# Altium PCB LaunchPadComputer.PcbDoc
Units mil, origin at the board's own origin, x right, y up, seen from the top; angles counter-clockwise.
Board outline 4000 x 4000 mil, 2 copper layers (Top Layer, Bottom Layer); 46 components, 43 nets, 160 pads, 4 vias.
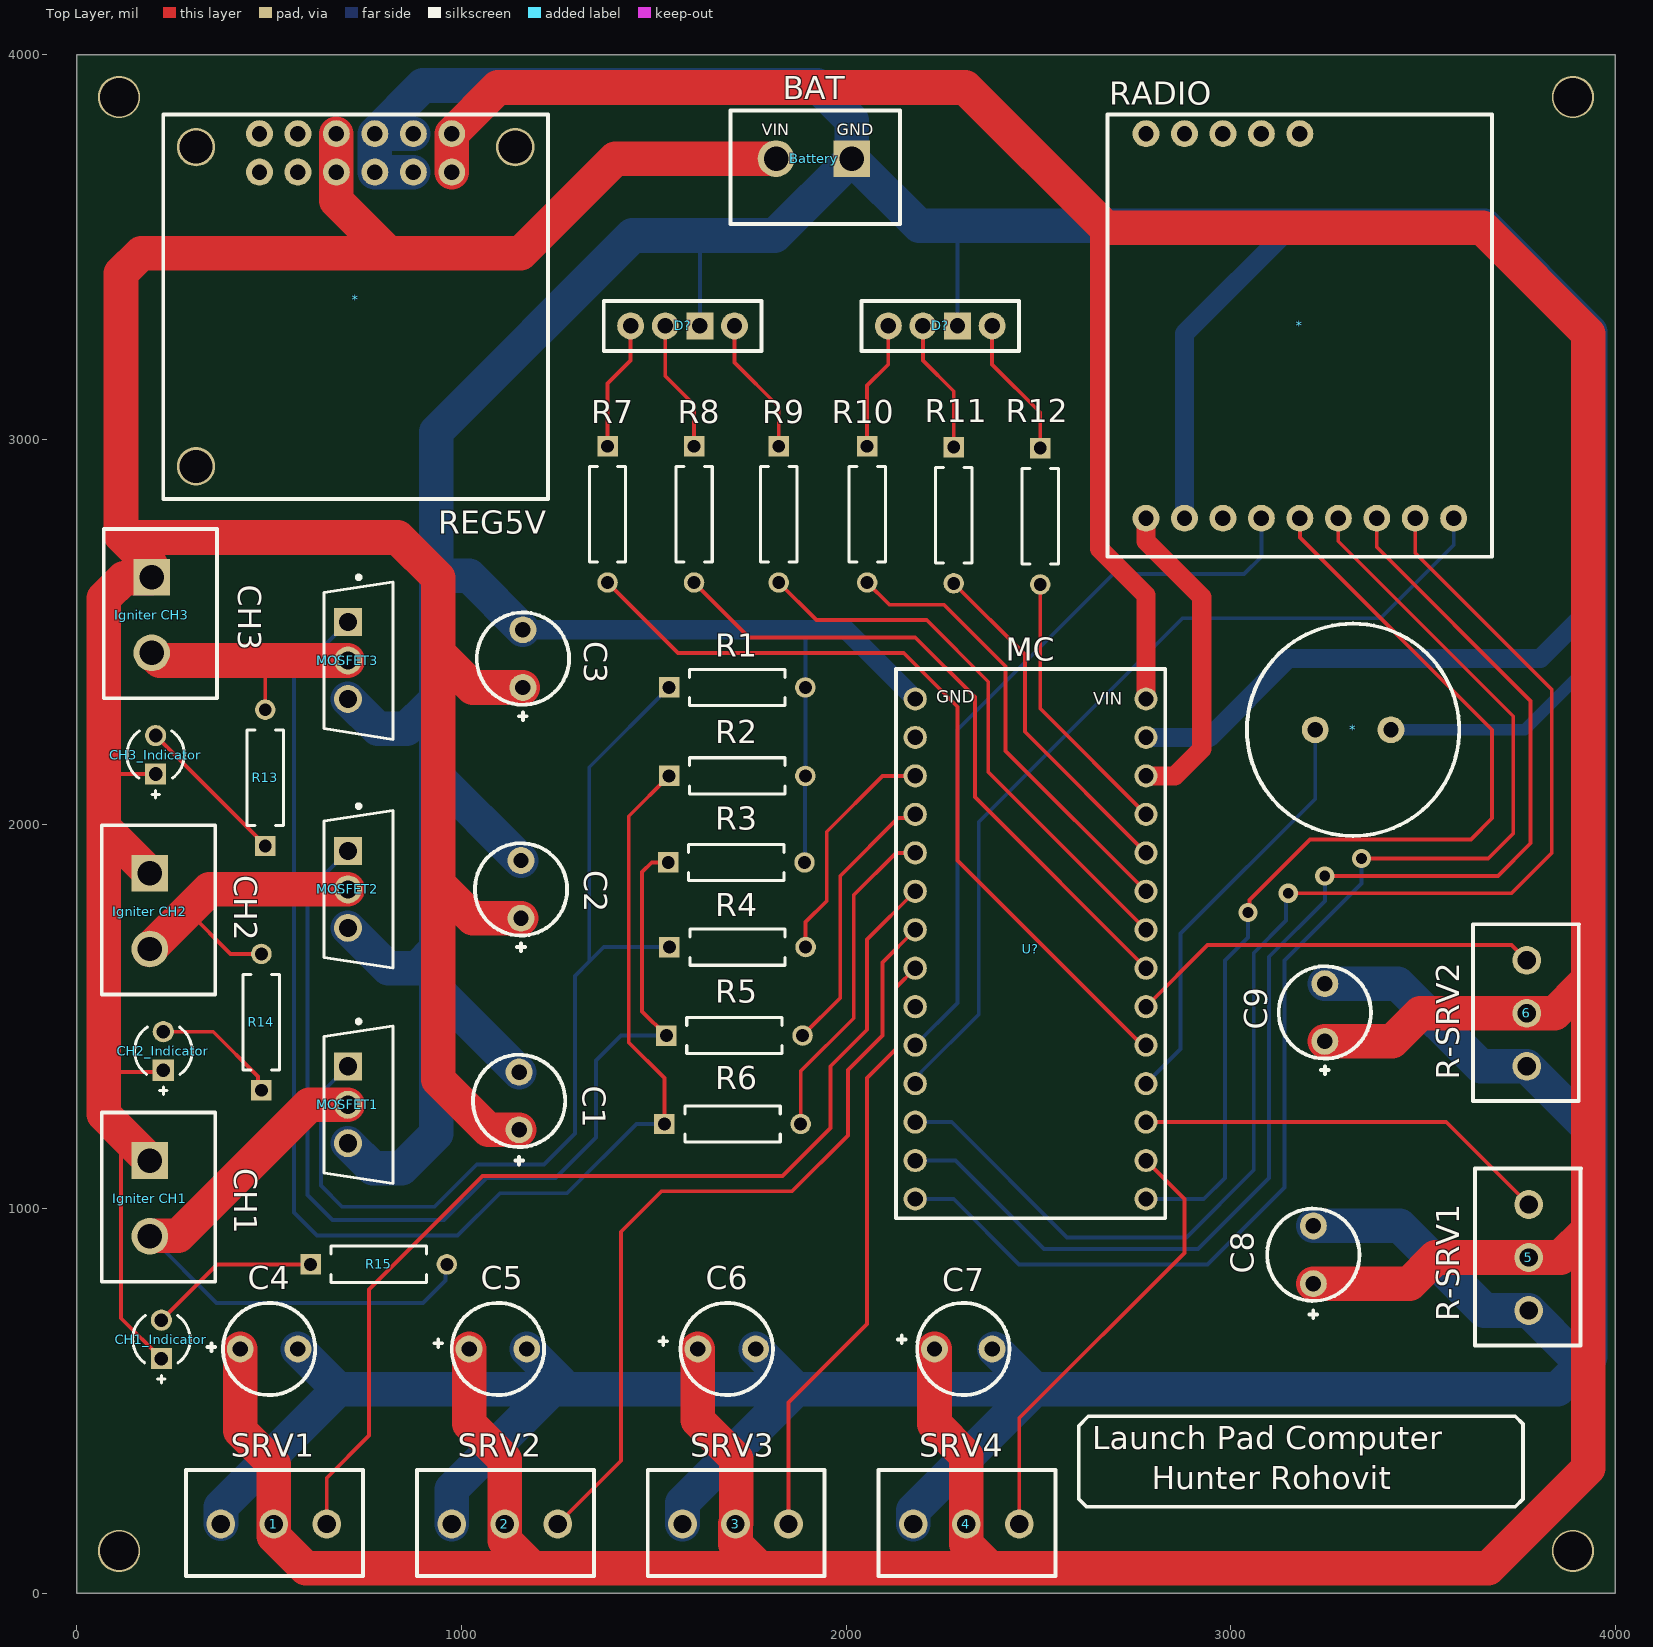
[diagram p0: Top Layer view]
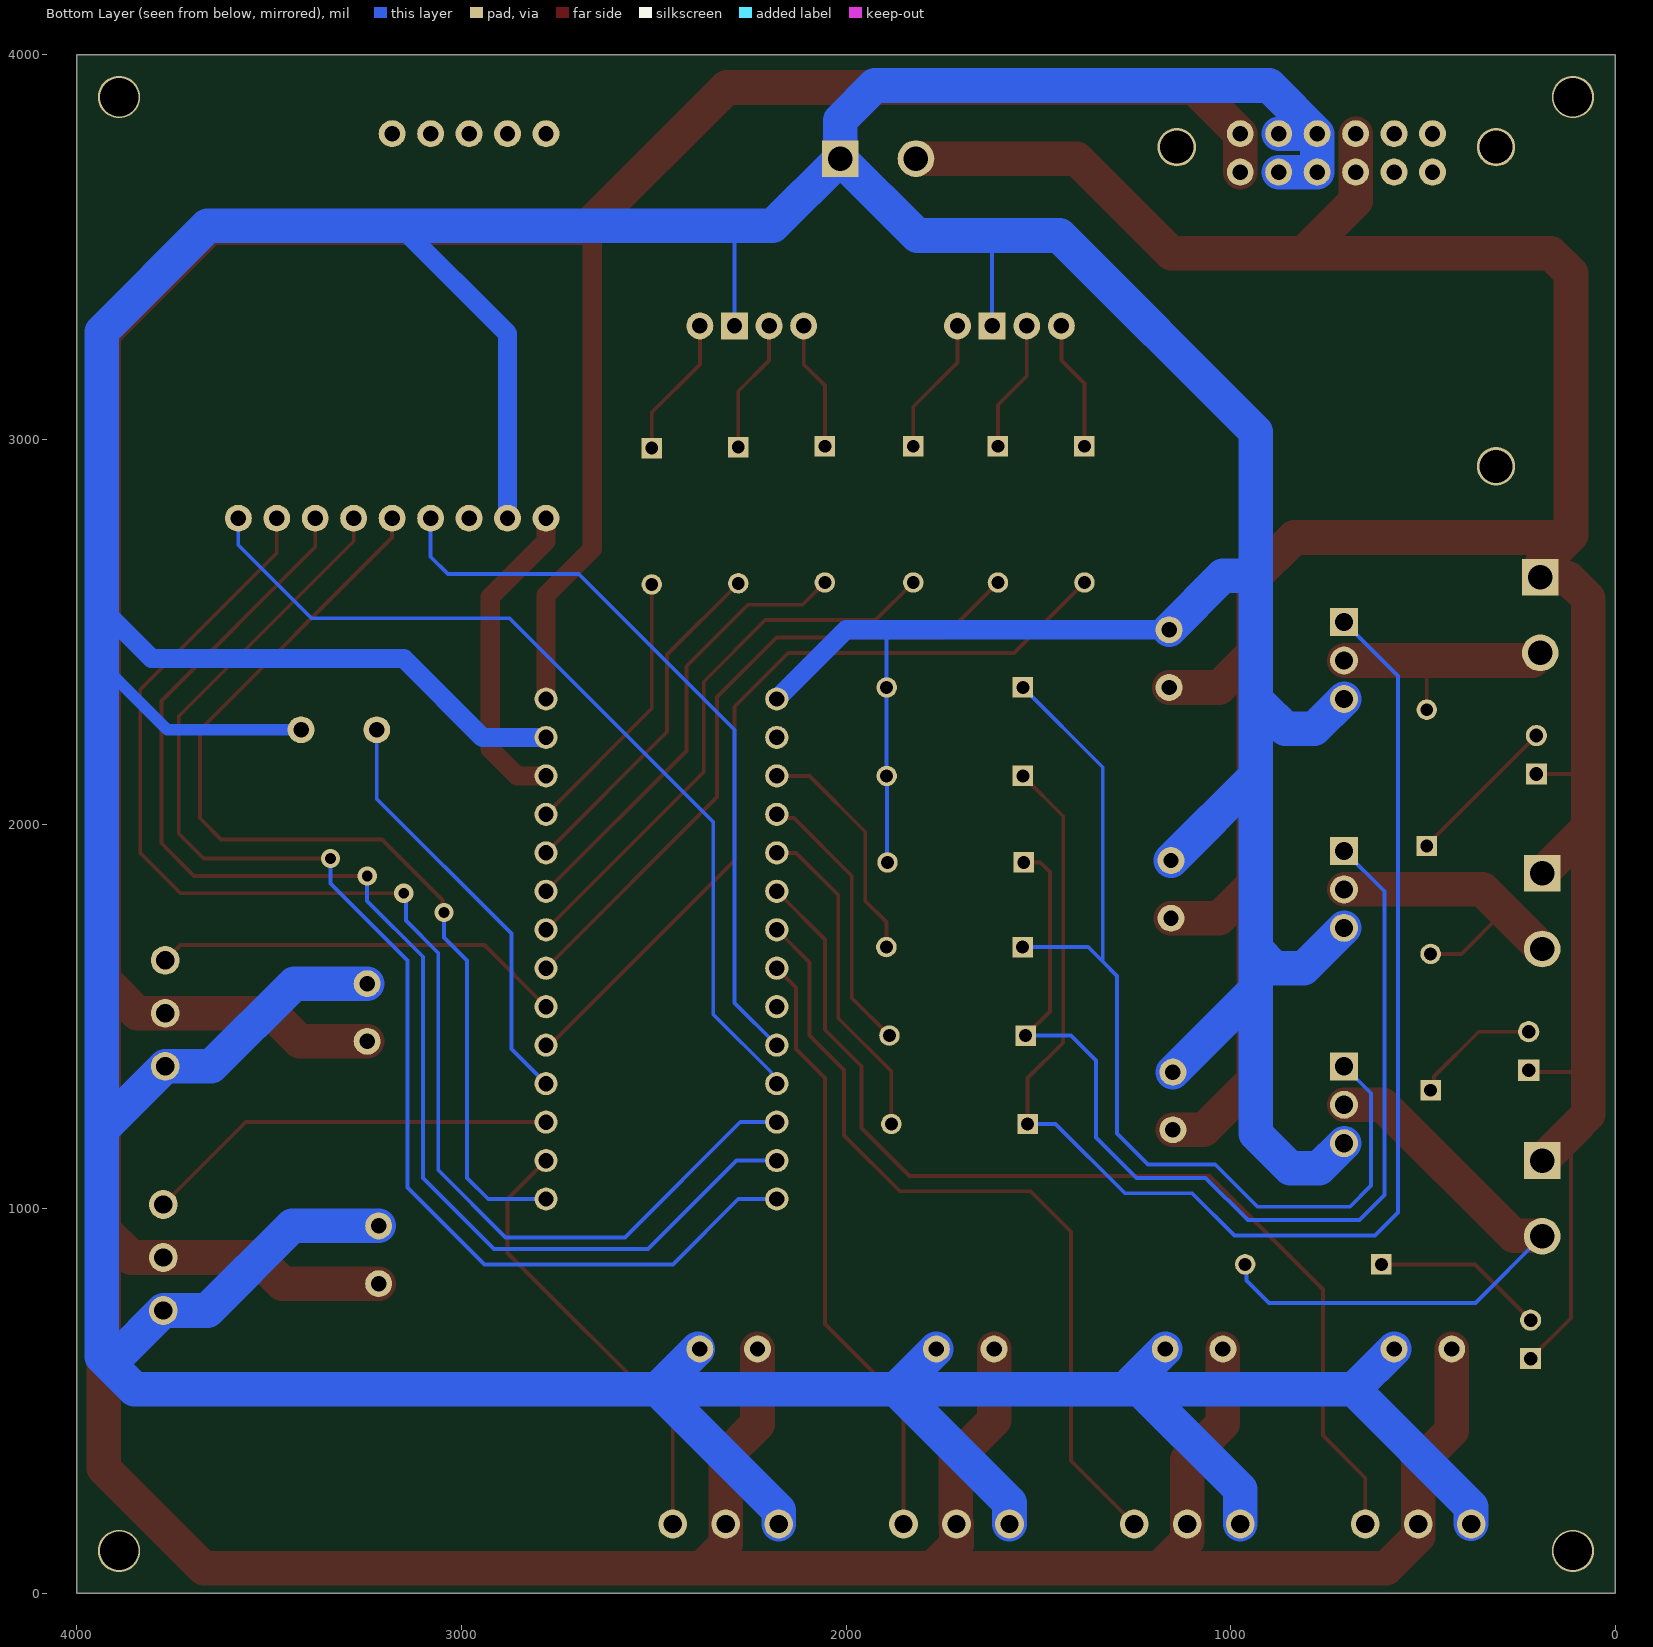
[diagram p1: Bottom Layer view, seen from below]
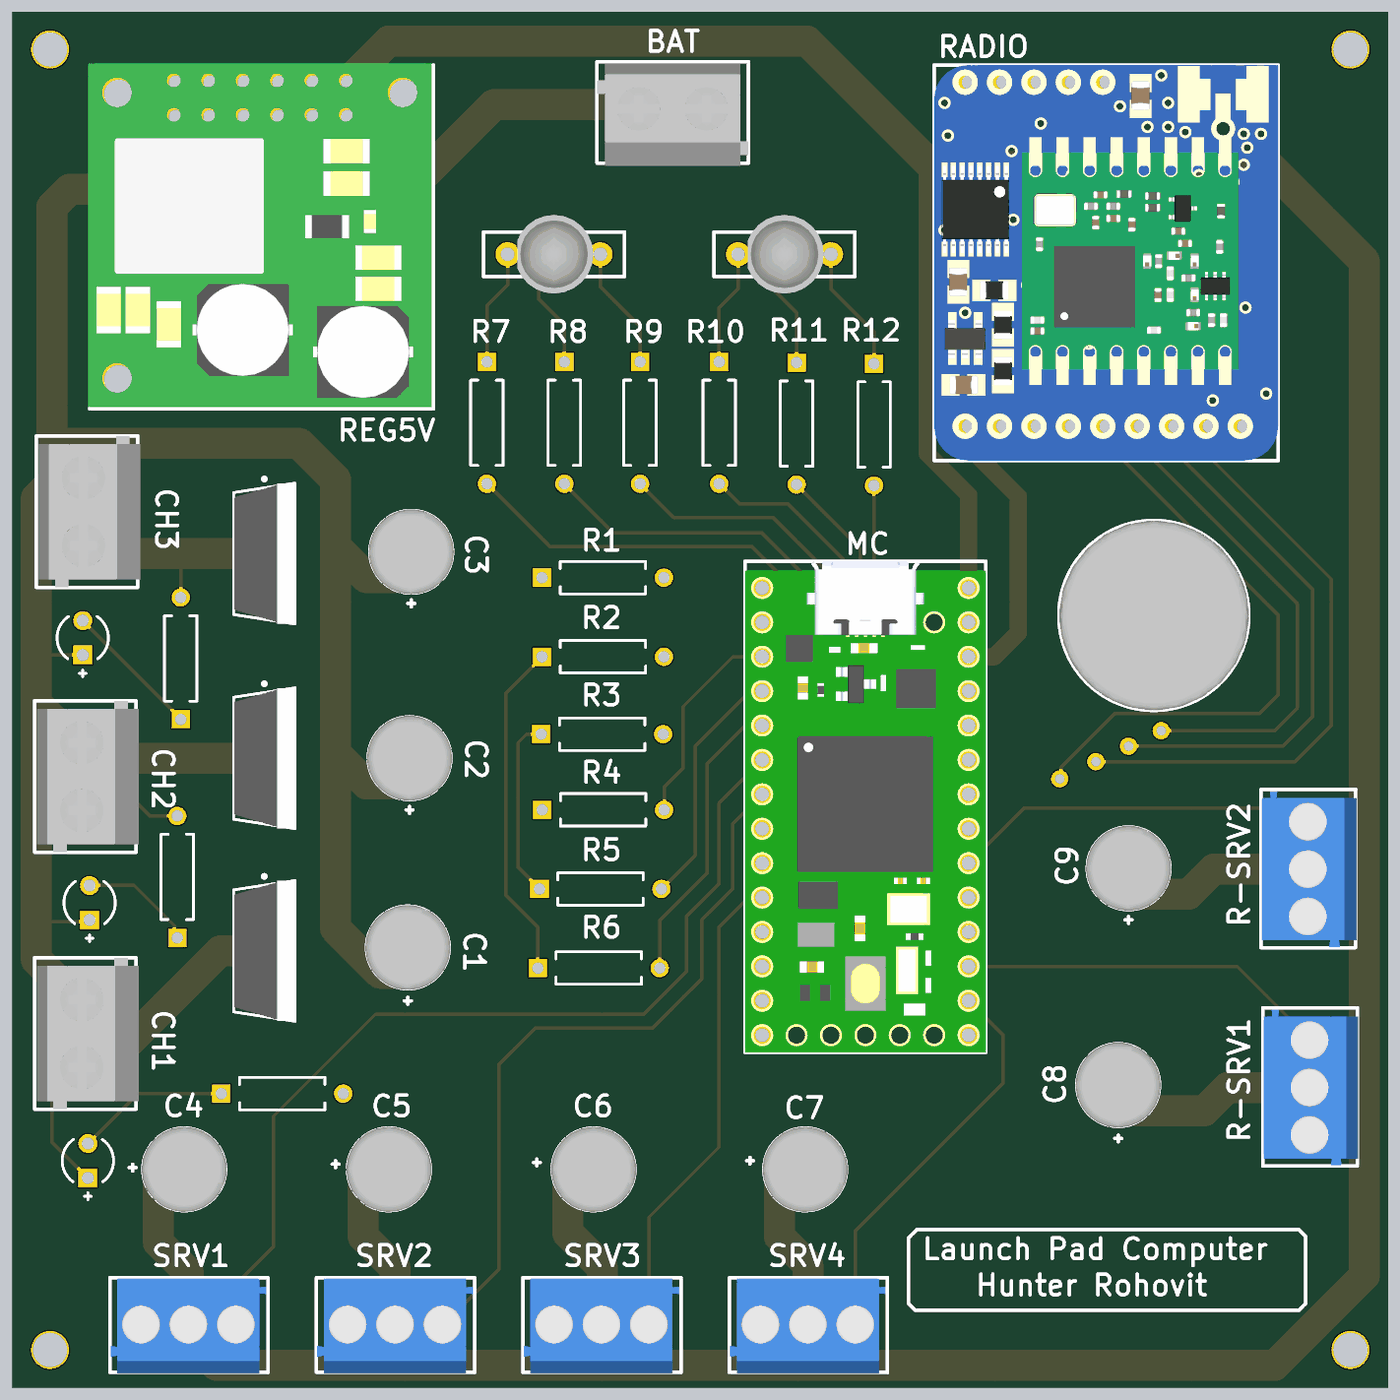
[diagram p2: 3D render of the assembled board from above, using the file's embedded part models]

## Layer stack, top to bottom
Top Solder: solder mask 0.4, Solder Resist, Dk 3.5
Top Layer: signal copper 1.4
Dielectric 1: dielectric 12.6, FR-4, Dk 4.8
Bottom Layer: signal copper 1.4
Bottom Solder: solder mask 0.4, Solder Resist, Dk 3.5

## Board outline
0,0 4000,0 4000,4000 0,4000

## Design rules (kind name [scope] priority, off if disabled: settings)
Clearance [All] p1: gap=10 ignorepadtopadclearanceinfootprint=FALSE
PolygonConnect [All] p1: connectstyle=Relief reliefconductorwidth=10 reliefentries=4 polygonreliefangle="90 Angle" airgapwidth=10
RoutingVias [All] p1: holewidth=28 width=50 viastyle="Through Hole" minholewidth=28 minwidth=50 maxholewidth=28 maxwidth=50
SolderMaskExpansion [All] p1: expansion=4 istentingtop=FALSE
Width [All] p1: maxlimit=120 minlimit=10 preferedwidth=10 minimp=50.000000 maximp=50.000000 favimp=50.000000
30 further rules are at their usual default settings.

## Classes and differential pairs
component class LaunchPadComputerSchematic: 1 2 3 4 5 6 * Battery C1 C2 C3 C4 C5 C6 C7 C8 C9 D? "Igniter CH1" "Igniter CH2" "Igniter CH3" MOSFET1 MOSFET2 MOSFET3 R1 R2 R3 R4 R5 R6 R7 R8 R9 R10 R11 R12 U?

## Components (designator, comment, footprint, x,y, rotation, side; value= is the part's Value field where it differs from the comment)
1 "MG90S1" MG90S 498.85,180 r0 top
2 "MG90S2" MG90S 1099.45,180 r0 top
3 "MG90S3" MG90S 1699.45,180 r0 top
4 "MG90S4" MG90S 2299.45,180 r0 top
5 "MG90S5" MG90S 3775,859.45 r90 top
6 "MG90S6" MG90S 3770,1494.45 r90 top
* "Buzzer" Buzzer 3310,2100 r0 top
* "RFM95W" RFM95W 2915,3640 r0 top
* "Pololu 5V_5A Reg" "Pololu 5V_5A Reg" 1225,2845 r180 top
Battery "Term Blk 2Pos 5mm" "Term Blk 2Pos 5mm" 2015,3730 r180 top (schematic designator J?)
C1 "478CKS010M" Capacitor 1150,1280 r90 top
C2 "478CKS010M" Capacitor 1155,1830 r90 top
C3 "478CKS010M" Capacitor 1160,2430 r90 top
C4 "478CKS010M" Capacitor 500,635 r0 top
C5 "478CKS010M" Capacitor 1095,635 r0 top
C6 "478CKS010M" Capacitor 1690,635 r0 top
C7 "478CKS010M" Capacitor 2305,635 r0 top
C8 "478CKS010M" Capacitor 3215,880 r90 top
C9 "478CKS010M" Capacitor 3245,1510 r90 top
CH1_Indicator "LTL-1CHE" INDPR60-254-520X380X650 220,660 r90 top
CH2_Indicator "LTL-1CHE" INDPR60-254-520X380X650 225,1410 r90 top
CH3_Indicator "LTL-1CHE" INDPR60-254-520X380X650 205,2180 r90 top
D? "RGB LED" "RGB LED" 2225,3380 r180 top
D? "RGB LED" "RGB LED" 1555,3380 r180 top
"Igniter CH1" "Igniter CH1" "Term Blk 2Pos 5mm" 190,1125 r270 top
"Igniter CH2" "Igniter CH2" "Term Blk 2Pos 5mm" 190,1871.85 r270 top
"Igniter CH3" "Igniter CH3" "Term Blk 2Pos 5mm" 195,2641.85 r270 top
MOSFET1 "IRLZ44NPbF" FP-PG-TO220-3-MFG 732.76,1270 r0 top
MOSFET2 "IRLZ44NPbF" FP-PG-TO220-3-MFG 732.76,1830 r0 top
MOSFET3 "IRLZ44NPbF" FP-PG-TO220-3-MFG 732.76,2425 r0 top
R1 "MFR-25FBF52-10K" RESA60-630X240 1717.17,2355 r0 top value=10k
R2 "MFR-25FBF52-10K" RESA60-630X240 1715,1900 r0 top value=10k
R3 "MFR-25FBF52-10K" RESA60-630X240 1717.17,2125 r0 top value=10k
R4 "MFR-25FBF52-22R1" RESA60-630X240 1717.83,1680 r0 top value=22.1
R5 "MFR-25FBF52-22R1" RESA60-630X240 1710,1450 r0 top value=22.1
R6 "MFR-25FBF52-22R1" RESA60-630X240 1705,1220 r0 top value=22.1
R7 "MFR-25FBF52-221R" RESA60-630X240 1380,2805 r270 top value=221
R8 "MFR-25FBF52-221R" RESA60-630X240 1605,2805 r270 top value=221
R9 "MFR-25FBF52-221R" RESA60-630X240 1825,2805 r270 top value=221
R10 "MFR-25FBF52-221R" RESA60-630X240 2055,2805 r270 top value=221
R11 "MFR-25FBF52-221R" RESA60-630X240 2280,2802.83 r270 top value=221
R12 "MFR-25FBF52-221R" RESA60-630X240 2505,2800 r270 top value=221
R13 "MFR-25FBF52-1K" RESA60-630X240 490,2120 r90 top value=1k
R14 "MFR-25FBF52-1K" RESA60-630X240 480,1485 r90 top value=1k
R15 "MFR-25FBF52-1K" RESA60-630X240 785,855 r0 top value=1k
U? "Teensy 4.0" "Teensy 4.0" 2480,1675 r0 top

## Footprints (in the part's own frame and the unit in brackets; to place one, negate y for a bottom-side part, rotate by r counter-clockwise, add the part's x,y. Pads: shape width x height; smd on the part's side, far side on the other; paste and mask are expansions set on the pad)
Buzzer [mil]
  round 70 hole 40: 1(106.85,145) 2(-90,145)
  silkscreen extent -268,-131 284,421, body extent -266,-131 285,421, height 362
Capacitor [mil]
  round 70 hole 40: 1(-75,0) 2(75,0)
  silkscreen extent -120,-120 120,120, body extent -124,-124 124,124, height 492
FP-PG-TO220-3-MFG [mm]
  rect 1.85x1.85 hole 1.2 paste-2539.97 mask+0: 1(-0.705,2.54)
  round 1.85 hole 1.2 paste-2539.97 mask+0: 2(-0.705,0) 3(-0.705,-2.54)
  silkscreen extent -2.27,-5.2 2.27,5.62, body extent -2.37,-5.55 2.37,5.55, height 0.25
INDPR60-254-520X380X650 [mm] "THD, 2-Leads, Dia 3.8mm, Pitch 2.54mm"
  rect 1.4x1.4 hole 0.9: 1(-1.27,0)
  round 1.4 hole 0.9: 2(1.27,0)
  silkscreen extent -2.87,-1.9 1.58,1.9, body extent -1.9,-1.9 1.9,1.9, height 6.5
MG90S [mil]
  round 75 hole 47.5: 1(-124.45,0)
  round 75 hole 47.2: 2(13.35,0) 3(151.15,0)
  silkscreen extent -215,-136 245,140, body extent -213,-138 240,138, height 340
"Pololu 5V_5A Reg" [mil]
  round 70 hole 40: 1(750,-950) 2(650,-950) 3(550,-950) 4(450,-950) 5(350,-950) 6(250,-950) 7(250,-850) 8(350,-850) 9(450,-850) 10(550,-850) 11(650,-850) 12(750,-850)
  round 100 hole 86: ""(85,-915) ""(915,-85) ""(915,-915)
  silkscreen extent 0,-1000 1000,0, body extent 5,-1005 1005,-5, height 373
RESA60-630X240 [mm] "Axial Resistor, 2-Leads, Dia 2.4mm, Body Length 6.3mm"
  rect 1.35x1.35 hole 0.85: 1(-4.5,0)
  round 1.35 hole 0.85: 2(4.5,0)
  silkscreen extent -3.15,-1.2 3.15,1.2, body extent -4.77,-1.19 4.77,1.2, height 2.4
RFM95W [mil]
  round 70 hole 40: 1(-135,-845) 2(-35,-845) 3(65,-845) 4(165,-845) 5(265,-845) 6(365,-845) 7(465,-845) 8(565,-845) 9(665,-845) 10(-135,155) 11(-35,155) 12(65,155) 13(165,155) 14(265,155)
  silkscreen extent -235,-945 765,205, body extent -235,-945 765,205, height 243
"RGB LED" [mil]
  round 70 hole 40: 1(-155,85) 3(25,85) 4(115,85)
  rect 70x70 hole 40: 2(-65,85)
  silkscreen extent -225,20 185,150, body extent -134,-29 86,199, height 583
"Teensy 4.0" [mm]
  round 1.53 hole 1.02: 0(-7.62,13.97) 1(-7.62,11.43) 2(-7.62,8.89) 3(-7.62,6.35) 3.3V_2(7.62,11.43) 4(-7.62,3.81) 5(-7.62,1.27) 6(-7.62,-1.27) 7(-7.62,-3.81) 8(-7.62,-6.35) 9(-7.62,-8.89) 10(-7.62,-11.43) 11(-7.62,-13.97) 12(-7.62,-16.51) 13(7.62,-16.51) 14(7.62,-13.97) 15(7.62,-11.43) 16(7.62,-8.89) 17(7.62,-6.35) 18(7.62,-3.81) 19(7.62,-1.27) 20(7.62,1.27) 21(7.62,3.81) 22(7.62,6.35) 23(7.62,8.89) G1(-7.62,16.51) G3(7.62,13.97) VIN(7.62,16.51)
  silkscreen extent -8.89,-17.78 8.89,18.48, body extent -8.89,-17.78 8.89,18.48, height 6.92
"Term Blk 2Pos 5mm" [mm]
  rect 2.421x2.421 / inner round 2.421 / far side rect 2.421x2.421 hole 1.614: 1(0,0)
  round 2.421 hole 1.614: 2(5,0)
  silkscreen extent -3.18,-3.18 8,4.32, body extent -3.16,-2.99 8,4.51, height 10.08

## Part data
1 2 3 4 5 6: library part CMP-009-000003-1, Design Item ID=MG90S, Source=MG90S.SchLib
*: library part CMP-052-000000-1, Design Item ID=RFM95W, Source=RFM95W.SchLib
*: library part CMP-061-000000-1, Design Item ID="Pololu 5V_5A Reg", Source="Pololu 5V_5A Reg.SchLib"
Battery: "Terminal block, EURO BLOCK, slotted screw, 5.00mm pitch, blue, 2 position", Package=None, Check_prices=https://www.snapeda.com/parts/EBBA-02-C-SS-BU/Adam+Tech/view-part/?ref=eda, MF="Adam Tech", MP=EBBA-02-C-SS-BU, SnapEDA_Link=https://www.snapeda.com/parts/EBBA-02-C-SS-BU/Adam+Tech/view-part/?ref=snap
C1 C2 C3 C4 C5 C6 C7 C8 C9: "4700 ÂµF 10 V Aluminum Electrolytic Capacitors Radial, Can 98.8mOhm @ 120Hz 2000 Hrs @ 85Â°C", Package="Radial Illinois Capacitor", Check_prices=https://www.snapeda.com/parts/478CKS010M/Illinois+Capacitor/view-part/?ref=eda, MF="Illinois Capacitor", MP=478CKS010M, SnapEDA_Link=https://www.snapeda.com/parts/478CKS010M/Illinois+Capacitor/view-part/?ref=snap
CH1_Indicator CH2_Indicator CH3_Indicator: library part CMP-007-00018-2, "LED Uni-Color Red, 100 mW, 30 mA, -55 to 100 degC, 2-Pin THD, RoHS, Bulk", Case/Package=Radial, Colour=Red, Forward Current=20mA, Forward Voltage=2V, Manufacturer=Lite-On, Max Operating Temperature=100°C, Min Operating Temperature=-55°C, Package Description="2-Pin Through Hole Device, Dia 3.8 mm, Pitch 2.54 mm", Package Quantity=1000, Datasheet URL=https://datasheet.ciiva.com/15117/getdatasheetpartid-187746-15117985.pdf, Datasheet Version=Dec-03, Illumination Colour=Red, Lens Style=Dome, Luminous Intensity=12.6mcd, Manufacturer URL=http://www.us.liteon.com/, Mounting Technology=TH, Nominal Vf=2V, Package Reference=LTL-1CHE, Packaging=Bulk, Pins=2, RoHS Compliant=True, Viewing Angle=60degrees
D? D?: "Red, Green, Blue (RGB) 630nm Red, 525nm Green, 465nm Blue LED Indication - Discrete 1.9V Red, 3.3V Green, 3.3V Blue Radial - 4 Leads", Package="Radial-4 Kingbright", Availability="In Stock", Check_prices=https://www.snapeda.com/parts/WP154A4SUREQBFZGC/Kingbright/view-part/?ref=eda, MF=Kingbright, MP=WP154A4SUREQBFZGC, Price=None, Purchase-URL=https://pricing.snapeda.com/search/part/WP154A4SUREQBFZGC/?ref=eda, SnapEDA_Link=https://www.snapeda.com/parts/WP154A4SUREQBFZGC/Kingbright/view-part/?ref=snap
"Igniter CH1" "Igniter CH2" "Igniter CH3": library part "Term Blk 2Pos 5mm", "Terminal block, EURO BLOCK, slotted screw, 5.00mm pitch, blue, 2 position", Package=None, Check_prices=https://www.snapeda.com/parts/EBBA-02-C-SS-BU/Adam+Tech/view-part/?ref=eda, MF="Adam Tech", MP=EBBA-02-C-SS-BU, SnapEDA_Link=https://www.snapeda.com/parts/EBBA-02-C-SS-BU/Adam+Tech/view-part/?ref=snap
MOSFET1 MOSFET2 MOSFET3: library part CMP-32901-000488-1, "MOSFET N-CH 55V 47A TO220AB", Case/Package=TO-220, Continuous Drain Current (ID)=47A, Drain to Source Breakdown Voltage=55V, Drain to Source Resistance=35mR, Gate to Source Voltage (Vgs)=16V, Input Capacitance=1.7nF, Max Operating Temperature=175°C, Max Power Dissipation=110W, Min Operating Temperature=-55°C, Threshold Voltage=2V, Drain to Source Voltage (Vdss)=55V, Element Configuration=Single, Halogen Free="Halogen Free", Height=0.6inch, Lead Free="Lead Free", Length=0.414inch, Max Dual Supply Voltage=55V, Mount="Through Hole", Number of Pins=3, Packaging=Rail/Tube, Power Dissipation=110W, Rds On Max=22mR, REACH SVHC="No SVHC", RoHS Compliant=Yes, Turn-Off Delay Time=26ns, Turn-On Delay Time=11ns, Width=0.185inch
R1 R2 R3: library part CMP-009-00047-4, "Axial Resistor, 10 KOhm, +/- 1%, 0.25 W, -55 to 155 degC, 2-Pin THD, RoHS, Bulk", Case/Package=Axial, Manufacturer=Yageo, Max Operating Temperature=155°C, Min Operating Temperature=-55°C, Package Description="2-Pin Axial Lead, Dia 2.4 mm, Body Length 6.3 mm", Package Quantity=200, Package Reference=MFR-25, Power=250mW, Tolerance=1%, Voltage Rating=250V, Datasheet URL=http://www.yageo.com/documents/recent/Yageo%20LR_MFR_2013.pdf, Datasheet Version=Apr-13, Manufacturer URL=http://www.yageo.com/, Mounting Technology=TH, Packaging=Bulk, RoHS Compliant=True
R4 R5 R6: library part CMP-009-00053-4, "Axial Resistor, 22.1 Ohm, +/- 1%, 250 mW, -55 to 155 degC, 2-Pin THD, RoHS, Bulk", Case/Package=Axial, Manufacturer=Yageo, Max Operating Temperature=155°C, Min Operating Temperature=-55°C, Package Description="2-Pin Axial Lead, Dia 2.4 mm, Body Length 6.3 mm", Package Quantity=200, Package Reference=MFR-25, Power=250mW, Tolerance=1%, Voltage Rating=250V, Datasheet URL=http://www.yageo.com/documents/recent/Yageo%20LR_MFR_2013.pdf, Datasheet Version=Apr-13, Manufacturer URL=http://www.yageo.com/, Mounting Technology=TH, Packaging=Bulk, RoHS Compliant=True
R7 R8 R9 R10 R11 R12: library part CMP-009-00051-4, "Axial Resistor, 221 Ohm, +/- 1%, 250 mW, -55 to 155 degC, 2-Pin THD, RoHS, Bulk", Case/Package=Axial, Manufacturer=Yageo, Max Operating Temperature=155°C, Min Operating Temperature=-55°C, Package Description="2-Pin Axial Lead, Dia 2.4 mm, Body Length 6.3 mm", Package Quantity=200, Package Reference=MFR-25, Power=250mW, Tolerance=1%, Voltage Rating=250V, Datasheet URL=http://www.yageo.com/documents/recent/Yageo%20LR_MFR_2013.pdf, Datasheet Version=Apr-13, Manufacturer URL=http://www.yageo.com/, Mounting Technology=TH, Packaging=Bulk, RoHS Compliant=True
R13 R14 R15: library part CMP-009-00048-4, "Axial Resistor, 1 KOhm, +/- 1%, 250 mW, -55 to 155 degC, 2-Pin THD, RoHS, Bulk", Case/Package=Axial, Manufacturer=Yageo, Max Operating Temperature=155°C, Min Operating Temperature=-55°C, Package Description="2-Pin Axial Lead, Dia 2.4 mm, Body Length 6.3 mm", Package Quantity=200, Package Reference=MFR-25, Power=250mW, Tolerance=1%, Voltage Rating=250V, Composition=CarbonFilm, Datasheet URL=http://www.yageo.com/documents/recent/Yageo%20LR_MFR_2013.pdf, Datasheet Version=Apr-13, Manufacturer URL=http://www.yageo.com/, Mounting Technology=TH, Packaging=Bulk, RoHS Compliant=True
U?: library part CMP-040-000002-1, "RT1062 Teensy 4.0 series ARMÂ® CortexÂ®-M7 MPU Embedded Evaluation Board", Package=None, Check_prices=https://www.snapeda.com/parts/DEV-15583/SparkFun/view-part/?ref=eda, Design Item ID="Teensy 4.0", MF="SparkFun Electronics", MP=DEV-15583, SnapEDA_Link=https://www.snapeda.com/parts/DEV-15583/SparkFun/view-part/?ref=snap, Source="Teensy 4.0.SchLib"

## Free pads (board coordinates)
  round 110 hole 100: ""(110,110) ""(110,3890) ""(3890,110) ""(3890,3890)

## Via types
v1: diameter 50/50 (per signal layer), hole 28, Top Layer to Bottom Layer, 4 vias

## Nets (pads, with @x,y where several pads share a name; then routed paths per layer and width w, separated by ;. In a path a pad name is that pad's centre, name@x,y a point inside that pad or via, vN(x,y) a via of type N, cw(c..) or ccw(c..) an arc to the next point about the centre after c; other vN are vias at no path point)
3V3: *.1@2780,2795 U?.3.3V_2 | length 834.1
  Top Layer w50: U?.3.3V_2 2855,2125 2925,2195 2925,2590 2780,2735 *.1@2780,2795
5V: 1.2 2.2 3.2 4.2 5.2 6.2 *.6@975,3795 *.7@975,3695 C4.1 C5.1 C6.1 C7.1 C8.1 C9.1 U?.VIN | length 15113.4
  Top Layer w10: 2660,3535 2675,3550 ; 3915,1580 3930,1580 ; 3925,1000 3930,1000 ; 3930,945 3930,950
  Top Layer w50: 2660,3535 2660,2715 2780,2595 U?.VIN
  Top Layer w90: C4.1 425,422.2 512.2,335 1.2 512.2,147.8 595,65 1185,65 ; *.7@975,3695 975,3795 1095,3915 2310,3915 2675,3550 3655,3550 3930,3275 3930,1580 3930,1000 3930,950 ; C5.1 1020,440.48 1112.8,347.68 2.2 1112.8,137.2 1185,65 ; C6.1 1615,450 1715,350 1715,182.2 3.2 1712.8,127.2 1775,65 ; C7.1 2230,440 2312.8,357.2 4.2 2312.8,127.2 2375,65 ; C8.1 3465,805 3532.8,872.8 5.2 3857.8,872.8 3930,945 3930,325 3670,65 2375,65 ; C9.1 3420,1435 3492.8,1507.8 6.2 3842.8,1507.8 3915,1580 ; 1185,65 1775,65 ; 1775,65 2375,65
14.7V: "Igniter CH1.1" "Igniter CH2.1" "Igniter CH3.1" *.3@675,3795 *.10@675,3695 Battery.2 C1.1 C2.1 C3.1 CH1_Indicator.1 CH2_Indicator.1 CH3_Indicator.1 | length 8730.1
  Top Layer w10: 70,1355 220,1355 CH2_Indicator.1 ; 70,2130 CH3_Indicator.1 ; 115,1200 115,715 CH1_Indicator.1
  Top Layer w90: 190,1125 115,1200 70,1245 70,1355 70,2010 ; 190,1871.85 70,1991.85 70,2010 ; *.3@675,3795 675,3695 675,3620 810.64,3484.36 ; C1.1 1070,1205 940,1335 940,1845 ; C2.1 1030,1755 940,1845 ; C3.1 1030,2355 940,2445 ; Battery.2 1400,3730 1154.36,3484.36 810.64,3484.36 ; 70,2010 70,2130 70,2586.47 122.72,2639.19 192.34,2639.19 195,2641.85 192.34,2644.51 192.34,2673.52 120.86,2745 ; 120.86,2745 115,2750.86 115,3431.64 167.72,3484.36 810.64,3484.36 ; 120.86,2745 835,2745 940,2640 940,2445 ; 940,1845 940,2445
CS: *.8@3480,2795 U?.10 | length 3579.6
  Top Layer w10: v1(3150,1820) 3730,1820 3835,1925 3835,2350 3480,2705 *.8@3480,2795
  Bottom Layer w10: U?.10 2275,1225 2575,925 2885,925 3060,1100 3060,1665 3144.22,1749.22 3144.22,1814.22 v1(3150,1820)
GND: 1.1 2.1 3.1 4.1 5.1 6.1 *.1@3416.85,2245 *.2@2880,2795 *.4@775,3795 *.5@875,3795 *.8@875,3695 *.9@775,3695 Battery.1 C1.2 C2.2 C3.2 C4.2 C5.2 C6.2 C7.2 C8.2 C9.2 D?.2 MOSFET1.3 MOSFET2.3 MOSFET3.3 R1.2 R2.2 R3.2 U?.G1 U?.G3 | length 23910.1
  Bottom Layer w10: 1.1 1.1@375,180.6 ; 920,2310 935,2310 ; 935,1675 935,1685 ; D?.2@1620,3295 1620,3530 ; R2.2 1893.25,1901.08 1893.25,2123.92 R3.2 R1.2 1894.33,2504.33 1895,2505 ; 2285,3555 2290,3550 D?.2@2290,3295
  Bottom Layer w30: *.1@3416.85,2245 3765,2245 3935,2415
  Bottom Layer w50: C3.2 1895,2505 2000,2505 U?.G1 ; U?.G3 2945,2225 3150,2430 3805,2430 3935,2560 ; *.2@2880,2795 2880,3275 3160,3555
  Bottom Layer w90: 1.1@375,180.6 375,225 680,530 ; C4.2 680,530 ; MOSFET1.3 770.22,1104.78 844.78,1104.78 935,1195 935,1570 ; MOSFET2.3 810.22,1624.78 884.78,1624.78 935,1675 935,1570 ; MOSFET3.3 782.72,2247.28 857.28,2247.28 920,2310 ; *.8@875,3695 775,3695 *.4@775,3795 ; *.5@875,3795 *.4@775,3795 ; 935,1685 935,2125 ; 2.1 975,270 1255,550 C5.2 ; C1.2 935,1570 ; C2.2 935,2125 ; C3.2 1020,2645 935,2645 ; 3.1 1575,235 1870,530 ; C6.2 1870,530 ; 4.1 2175,215 2490,530 ; C7.2@2385,635 2490,530 ; C8.2 3440,955 3660,735 5.1 3895,615 3935,615 ; C9.2 3435,1585 3650,1370 6.1 3935,1205 ; 680,530 1870,530 ; *.4@775,3795 900,3920 1925,3920 2015,3830 Battery.1 ; 935,2125 935,2310 935,2645 ; 935,2645 935,3020 1445,3530 1620,3530 1815,3530 Battery.1 ; 1870,530 2490,530 ; Battery.1 2190,3555 2285,3555 3160,3555 3660,3555 3935,3280 3935,2560 3935,2415 3935,1205 ; 2490,530 3850,530 3935,615 ; 3935,615 3935,1205
LED1_B: D?.4@1440,3295 R7.1 | length 337.7
  Top Layer w10: R7.1 1380,3145 1440,3205 D?.4@1440,3295
LED1_G: D?.3@1530,3295 R8.1 | length 343.9
  Top Layer w10: D?.3@1530,3295 1530,3165 1605,3090 R8.1
LED1_R: D?.1@1710,3295 R9.1 | length 360.5
  Top Layer w10: D?.1@1710,3295 1710,3200 1825,3085 R9.1
LED2_B: D?.4@2110,3295 R10.1 | length 335.6
  Top Layer w10: R10.1 2055,3140 2110,3195 D?.4@2110,3295
LED2_G: D?.3@2200,3295 R11.1 | length 348.1
  Top Layer w10: D?.3@2200,3295 2200,3205 2280,3125 R11.1
LED2_R: D?.1@2380,3295 R12.1 | length 369.6
  Top Layer w10: D?.1@2380,3295 2380,3195 2505,3070 R12.1
M1_Drain: "Igniter CH1.2" MOSFET1.2 R15.2 | length 1564.1
  Top Layer w90: 190,928.15 191.02,929.17 264.17,929.17 605,1270 MOSFET1.2
  Bottom Layer w10: 190,928.15 363.15,755 900,755 958.43,813.43 958.43,851.26 R15.2
M1_Gate: MOSFET1.1 R1.1 R4.1 | length 2585.7
  Bottom Layer w10: MOSFET1.1 635,1300 635,1060 690,1005 930,1005 1040,1115 1215,1115 1295,1195 1295,1605 1332.5,1642.5 ; R1.1 1332.5,2147.5 1332.5,1642.5 ; R4.1 1370,1680 1332.5,1642.5
M2_Drain: "Igniter CH2.2" MOSFET2.2 R14.2 | length 820.1
  Top Layer w10: 290,1775 290,1772.17 400,1662.17 R14.2
  Top Layer w90: 188.26,1673.26 190,1675 290,1775 345,1830 MOSFET2.2
M2_Gate: MOSFET2.1 R2.1 R5.1 | length 2743.4
  Top Layer w10: R5.1 1470,1512.83 1470,1875 1495,1900 R2.1
  Bottom Layer w10: MOSFET2.1 600,1825 600,1035 665,970 955,970 1065,1080 1245,1080 1350,1185 1350,1385 1415,1450 R5.1
M3_Drain: "Igniter CH3.2" MOSFET3.2 R13.2 | length 658.4
  Top Layer w10: R13.2@490,2284.86 490,2425
  Top Layer w90: 195,2445 196.44,2445 216.44,2425 490,2425 MOSFET3.2
M3_Gate: MOSFET3.1 R3.1 R6.1 | length 3703.1
  Top Layer w10: R6.1 1527.83,1339.37 1435,1432.2 1435,2020 R3.1
  Bottom Layer w10: MOSFET3.1 565,2385 565,990 625,930 990,930 1100,1040 1275,1040 1455,1220 R6.1@1543.22,1220
MISO: *.6@3280,2795 U?.12 | length 3481.5
  Top Layer w10: *.6@3280,2795 3280,2735 3735,2280 3735,1975 3670,1910 v1(3340,1910)
  Bottom Layer w10: U?.12 2280,1025 2450,855 2940,855 3140,1055 3140,1645 3340,1845 v1(3340,1910)
MOSI: *.7@3380,2795 U?.11 | length 3517.9
  Top Layer w10: v1(3245,1865) 3695,1865 3780,1950 3780,2320 3380,2720 *.7@3380,2795
  Bottom Layer w10: U?.11 2285,1125 2515,895 2915,895 3100,1080 3100,1655 3245,1800 v1(3245,1865)
Pin0: U?.0
Pin1: R4.2 U?.1 | length 612.8
  Top Layer w10: R4.2 1895,1745 1950,1800 1950,1980 2095,2125 U?.1
Pin2: R5.2 U?.2 | length 716.8
  Top Layer w10: R5.2 1985,1547.83 1985,1865 2135.6,2015.6 2170.6,2015.6 U?.2
Pin3: R6.2 U?.3 | length 857.7
  Top Layer w10: R6.2 1882.17,1357.17 2020,1495 2020,1815 2130,1925 U?.3
Pin4: 1.3 U?.4 | length 2735.7
  Top Layer w10: 1.3 650,300 760,410 760,790 1055,1085 1835,1085 1960,1210 1960,1370 2055,1465 2055,1700 U?.4
Pin5: 2.3 U?.5 | length 2129.1
  Top Layer w10: 2.3 1415,344.4 1415,940 1520,1045 1860,1045 2005,1190 2005,1360 2095,1450 2095,1640 U?.5
Pin6: 3.3 U?.6 | length 1581.4
  Top Layer w10: 3.3 1850.6,495.6 2055,700 2055,1340 2130,1415 2130,1575 U?.6
Pin7: U?.7
Pin8: *.4@3080,2795 U?.8 | length 1942
  Bottom Layer w10: U?.8 2290,1535 2290,2245 2695,2650 3035,2650 3080,2695 *.4@3080,2795
Pin9: *.9@3580,2795 U?.9 | length 2351.6
  Bottom Layer w10: U?.9 2180,1338.59 2194.4,1353 2194.4,1354.4 2345,1505 2345,2005 2875,2535 3390,2535 3580,2725 *.9@3580,2795
Pin14: 4.3 U?.14 | length 1164.3
  Top Layer w10: 4.3 2450.6,455.6 2880,885 2880,1025 U?.14
Pin15: 5.3 U?.15 | length 1083.8
  Top Layer w10: U?.15 3560.6,1225 5.3
Pin16: *.2@3220,2245 U?.16 | length 1102.3
  Bottom Layer w10: U?.16 2870,1415 2870,1715 3220,2065 *.2@3220,2245
Pin17: R7.2 U?.17 | length 2132.5
  Top Layer w10: R7.2 1562.83,2445 2150,2445 2290,2305 2290,1905 2770,1425 U?.17
Pin18: 6.3 U?.18 | length 1072.6
  Top Layer w10: U?.18 2940,1685 3730.6,1685 6.3
Pin19: R8.2 U?.19 | length 1742.7
  Top Layer w10: R8.2 1747.83,2485 2180,2485 2335,2330 2335,2070 U?.19
Pin20: R9.2 U?.20 | length 1466.6
  Top Layer w10: R9.2 1922.83,2530 2210,2530 2370,2370 2370,2135 U?.20
Pin21: R10.2 U?.21 | length 1186.4
  Top Layer w10: R10.2 2112.83,2570 2255,2570 2415,2410 2415,2190 U?.21
Pin22: R11.2 U?.22 | length 907.8
  Top Layer w10: R11.2 2465,2440.67 2465,2240 U?.22
Pin23: R12.2 U?.23 | length 711.7
  Top Layer w10: R12.2 2505,2300 U?.23
R13: CH1_Indicator.2 R15.1 | length 447.9
  Top Layer w10: CH1_Indicator.2 365,855 R15.1
R14: CH2_Indicator.2 R14.1 | length 351.8
  Top Layer w10: CH2_Indicator.2 355,1460 471.45,1343.55 471.45,1316.39 R14.1 R14.1@480,1290
R15: CH3_Indicator.2 R13.1 | length 404.3
  Top Layer w10: CH3_Indicator.2 468.43,1966.57 468.43,1964.41 487.83,1945 R13.1@490,1945
SCK: *.5@3180,2795 U?.13 | length 2683.2
  Top Layer w10: v1(3045,1770) 3048.81,1773.81 3048.81,1802.76 3206.05,1960 3625,1960 3680,2015 3680,2245 3180,2745 *.5@3180,2795
  Bottom Layer w10: U?.13 2930,1025 2985,1080 2985,1645 3045,1705 v1(3045,1770)
pads on no net: *. *.1@475,3795 *.2@575,3795 *.3@2980,2795 *.10@2780,3795 *.11 *.12 *.13 *.14

## Silkscreen, mask and mechanical layers (free items; w line width, h text height)
Top Overlay:
  lines w10: 340,640 360,640 ; 350,630 350,650 ; 930,650 950,650 ; 940,640 940,660 ; 1140,1125 1160,1125 ; 1145,1680 1165,1680 ; 1150,1115 1150,1135 ; 1150,2280 1170,2280 ; 1155,1670 1155,1690 ; 1160,2270 1160,2290 ; 1515,655 1535,655 ; 1525,645 1525,665 ; 2135,660 2155,660 ; 2145,650 2145,670 ; 3205,725 3225,725 ; 3215,715 3215,735 ; 3235,1360 3255,1360 ; 3245,1350 3245,1370 ; 2605,245 2625,225 3740,225 3760,245 3760,440 3740,460 2630,460 2605,435 2605,245
  text "Launch Pad Computer" at 2640,374.99 h60
  text "Hunter Rohovit" at 2795,270 h60
Mechanical 1:
  the board outline again, w10

## Text inside footprints (layer, text, board x,y; h text height)
1: Top Overlay "SRV1" at 400,355 h60
2: Top Overlay "SRV2" at 990.6,355 h60
3: Top Overlay "SRV3" at 1595.6,355 h60
4: Top Overlay "SRV4" at 2190.6,355 h60
5: Top Overlay "R-SRV1" at 3595,707.8 h60 r90
6: Top Overlay "R-SRV2" at 3595,1334.45 h60 r90
*: Top Overlay "REG5V" at 940,2755 h60
*: Top Overlay "RADIO" at 2685,3870 h60
Battery: Top Overlay "BAT" at 1835,3885 h60; Top Overlay "VIN" at 1781,3791 h30; Top Overlay "GND" at 1976,3791 h30
"Igniter CH1": Top Overlay "CH1" at 410,1105 h60 r270
"Igniter CH2": Top Overlay "CH2" at 410,1866.85 h60 r270
"Igniter CH3": Top Overlay "CH3" at 420,2621.85 h60 r270
U?: Top Overlay "GND" at 2235,2315 h32; Top Overlay "VIN" at 2642.32,2310.15 h32; Top Overlay "MC" at 2415,2425 h60